# Altium PCB BloopPadMaxx_00.PcbDoc (part 1 of 3)
Units mm, origin at the board's own origin, x right, y up, seen from the top; angles counter-clockwise.
Board outline 209 x 212 mm, 2 copper layers (Top Layer, Bottom Layer), stack 1.571 mm thick; 206 components, 154 nets, 793 pads, 455 vias.
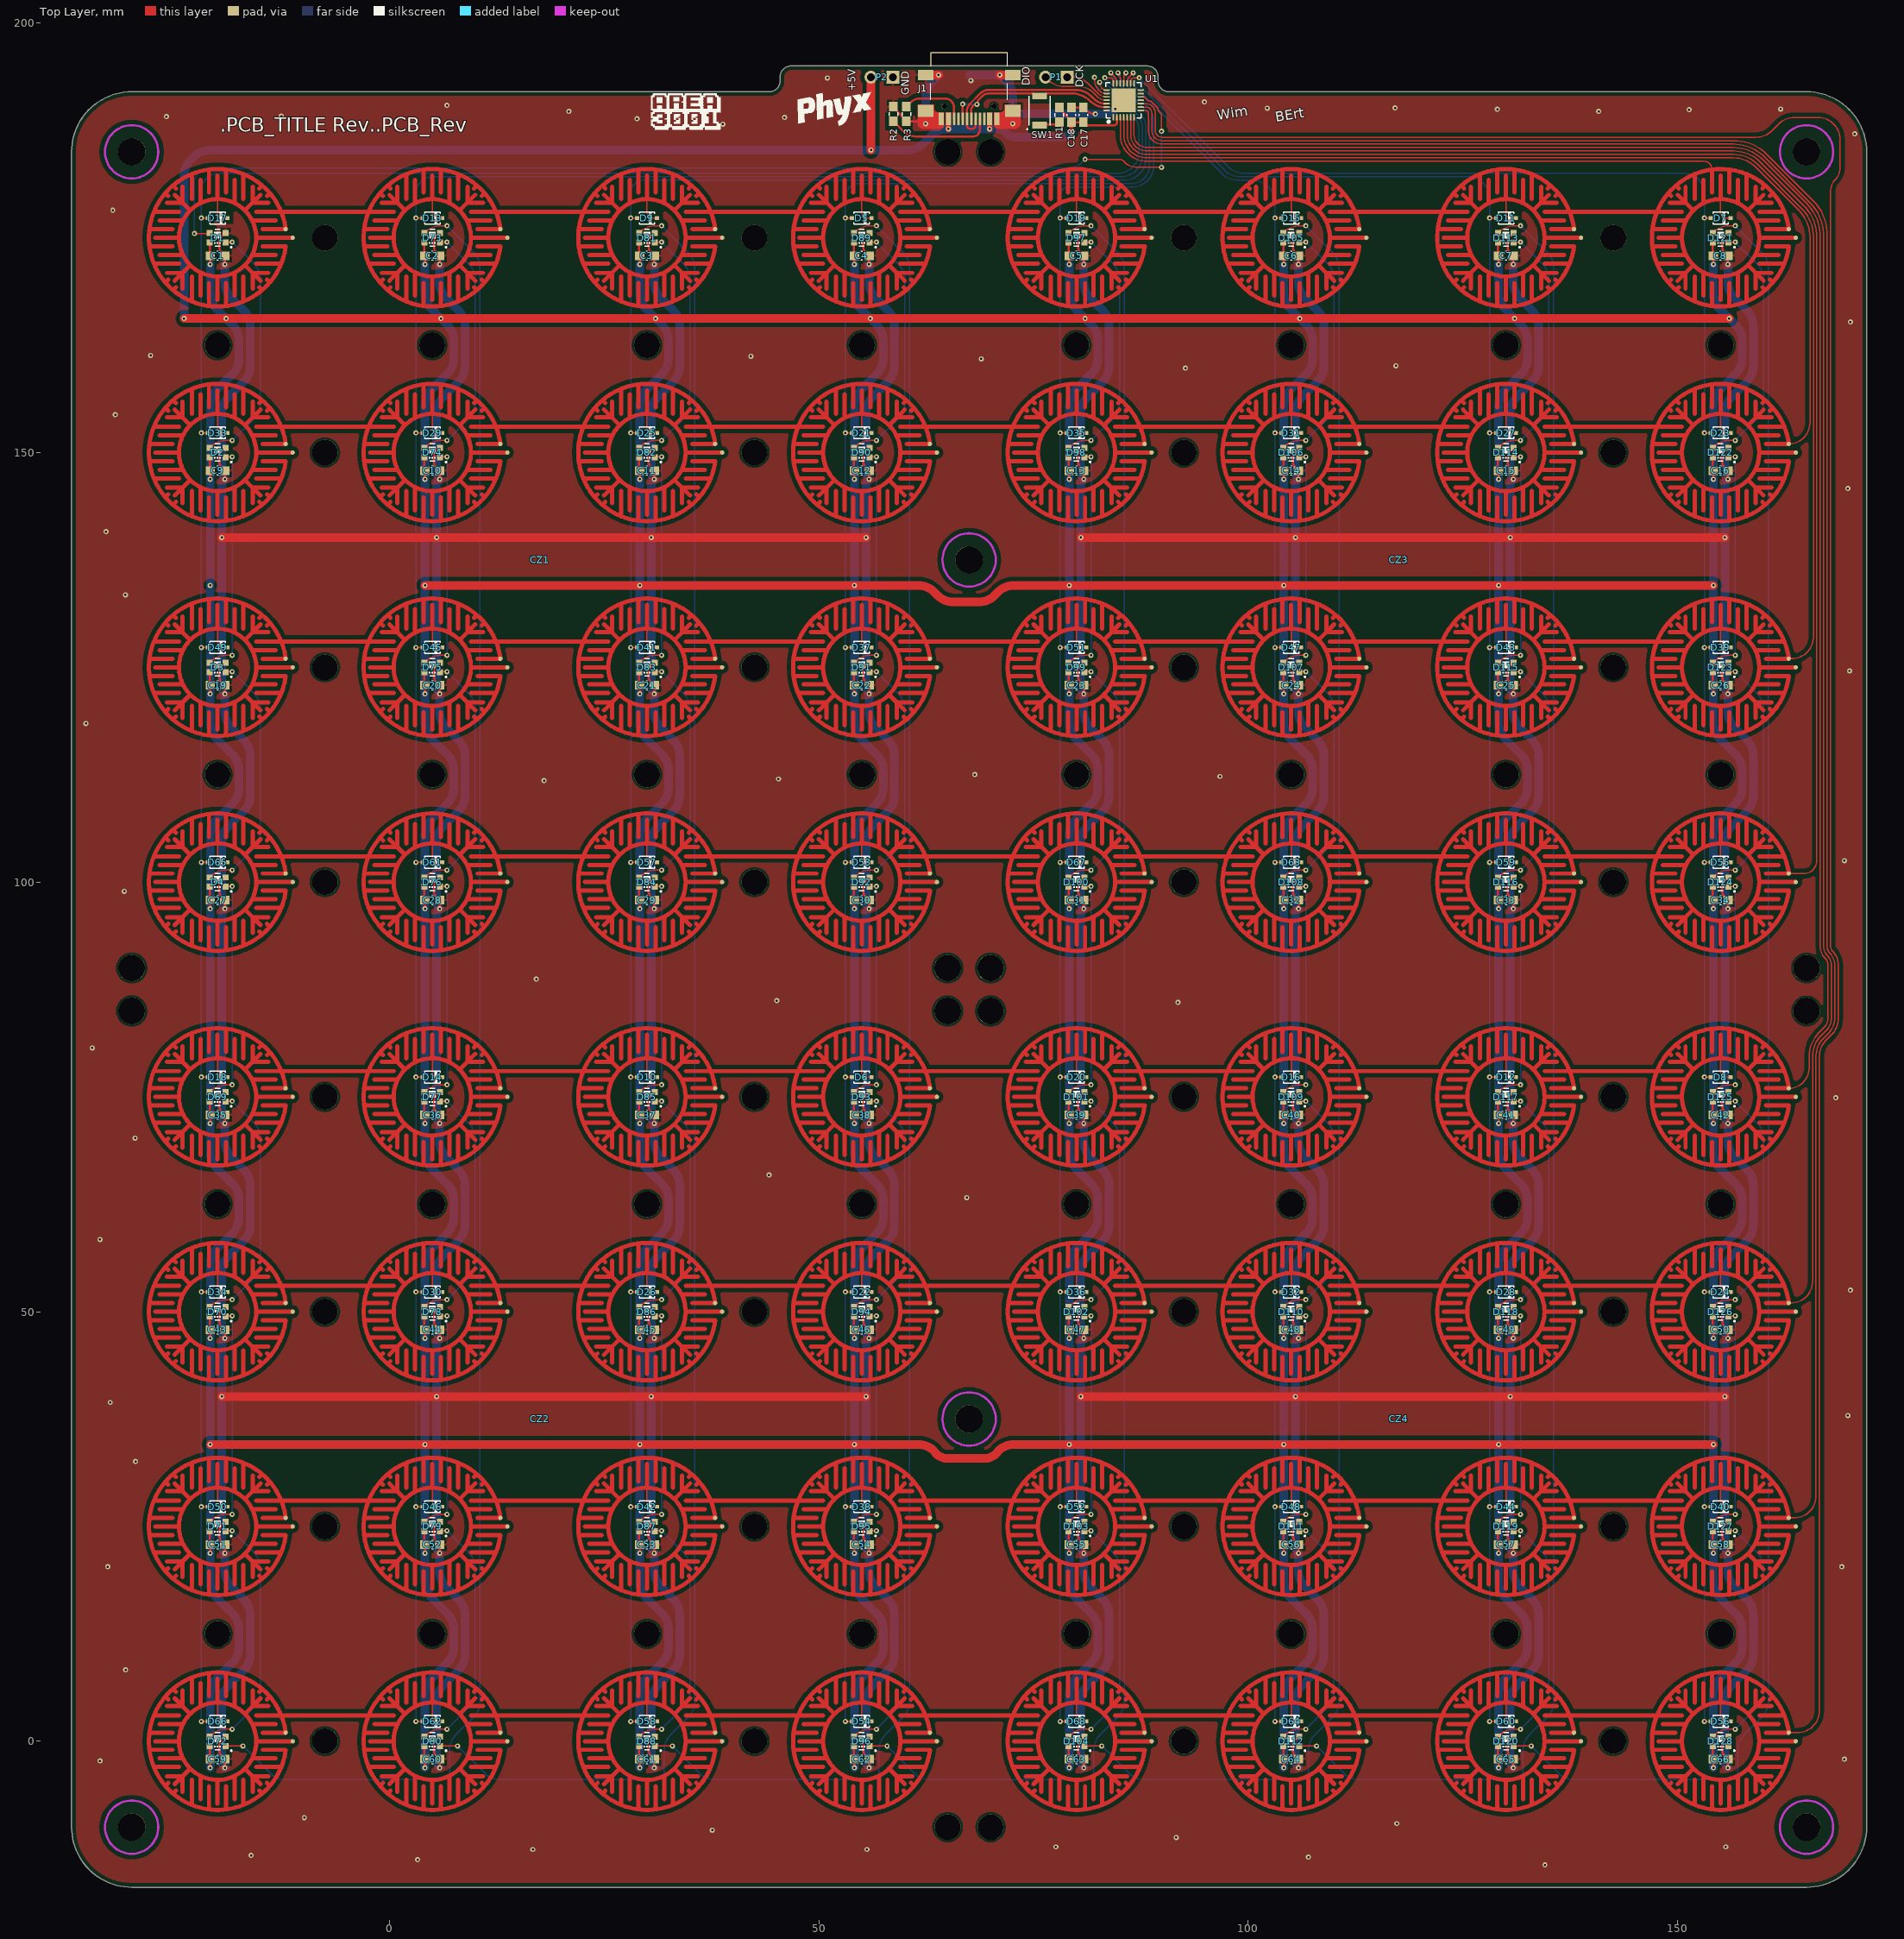
[diagram p0: Top Layer view]
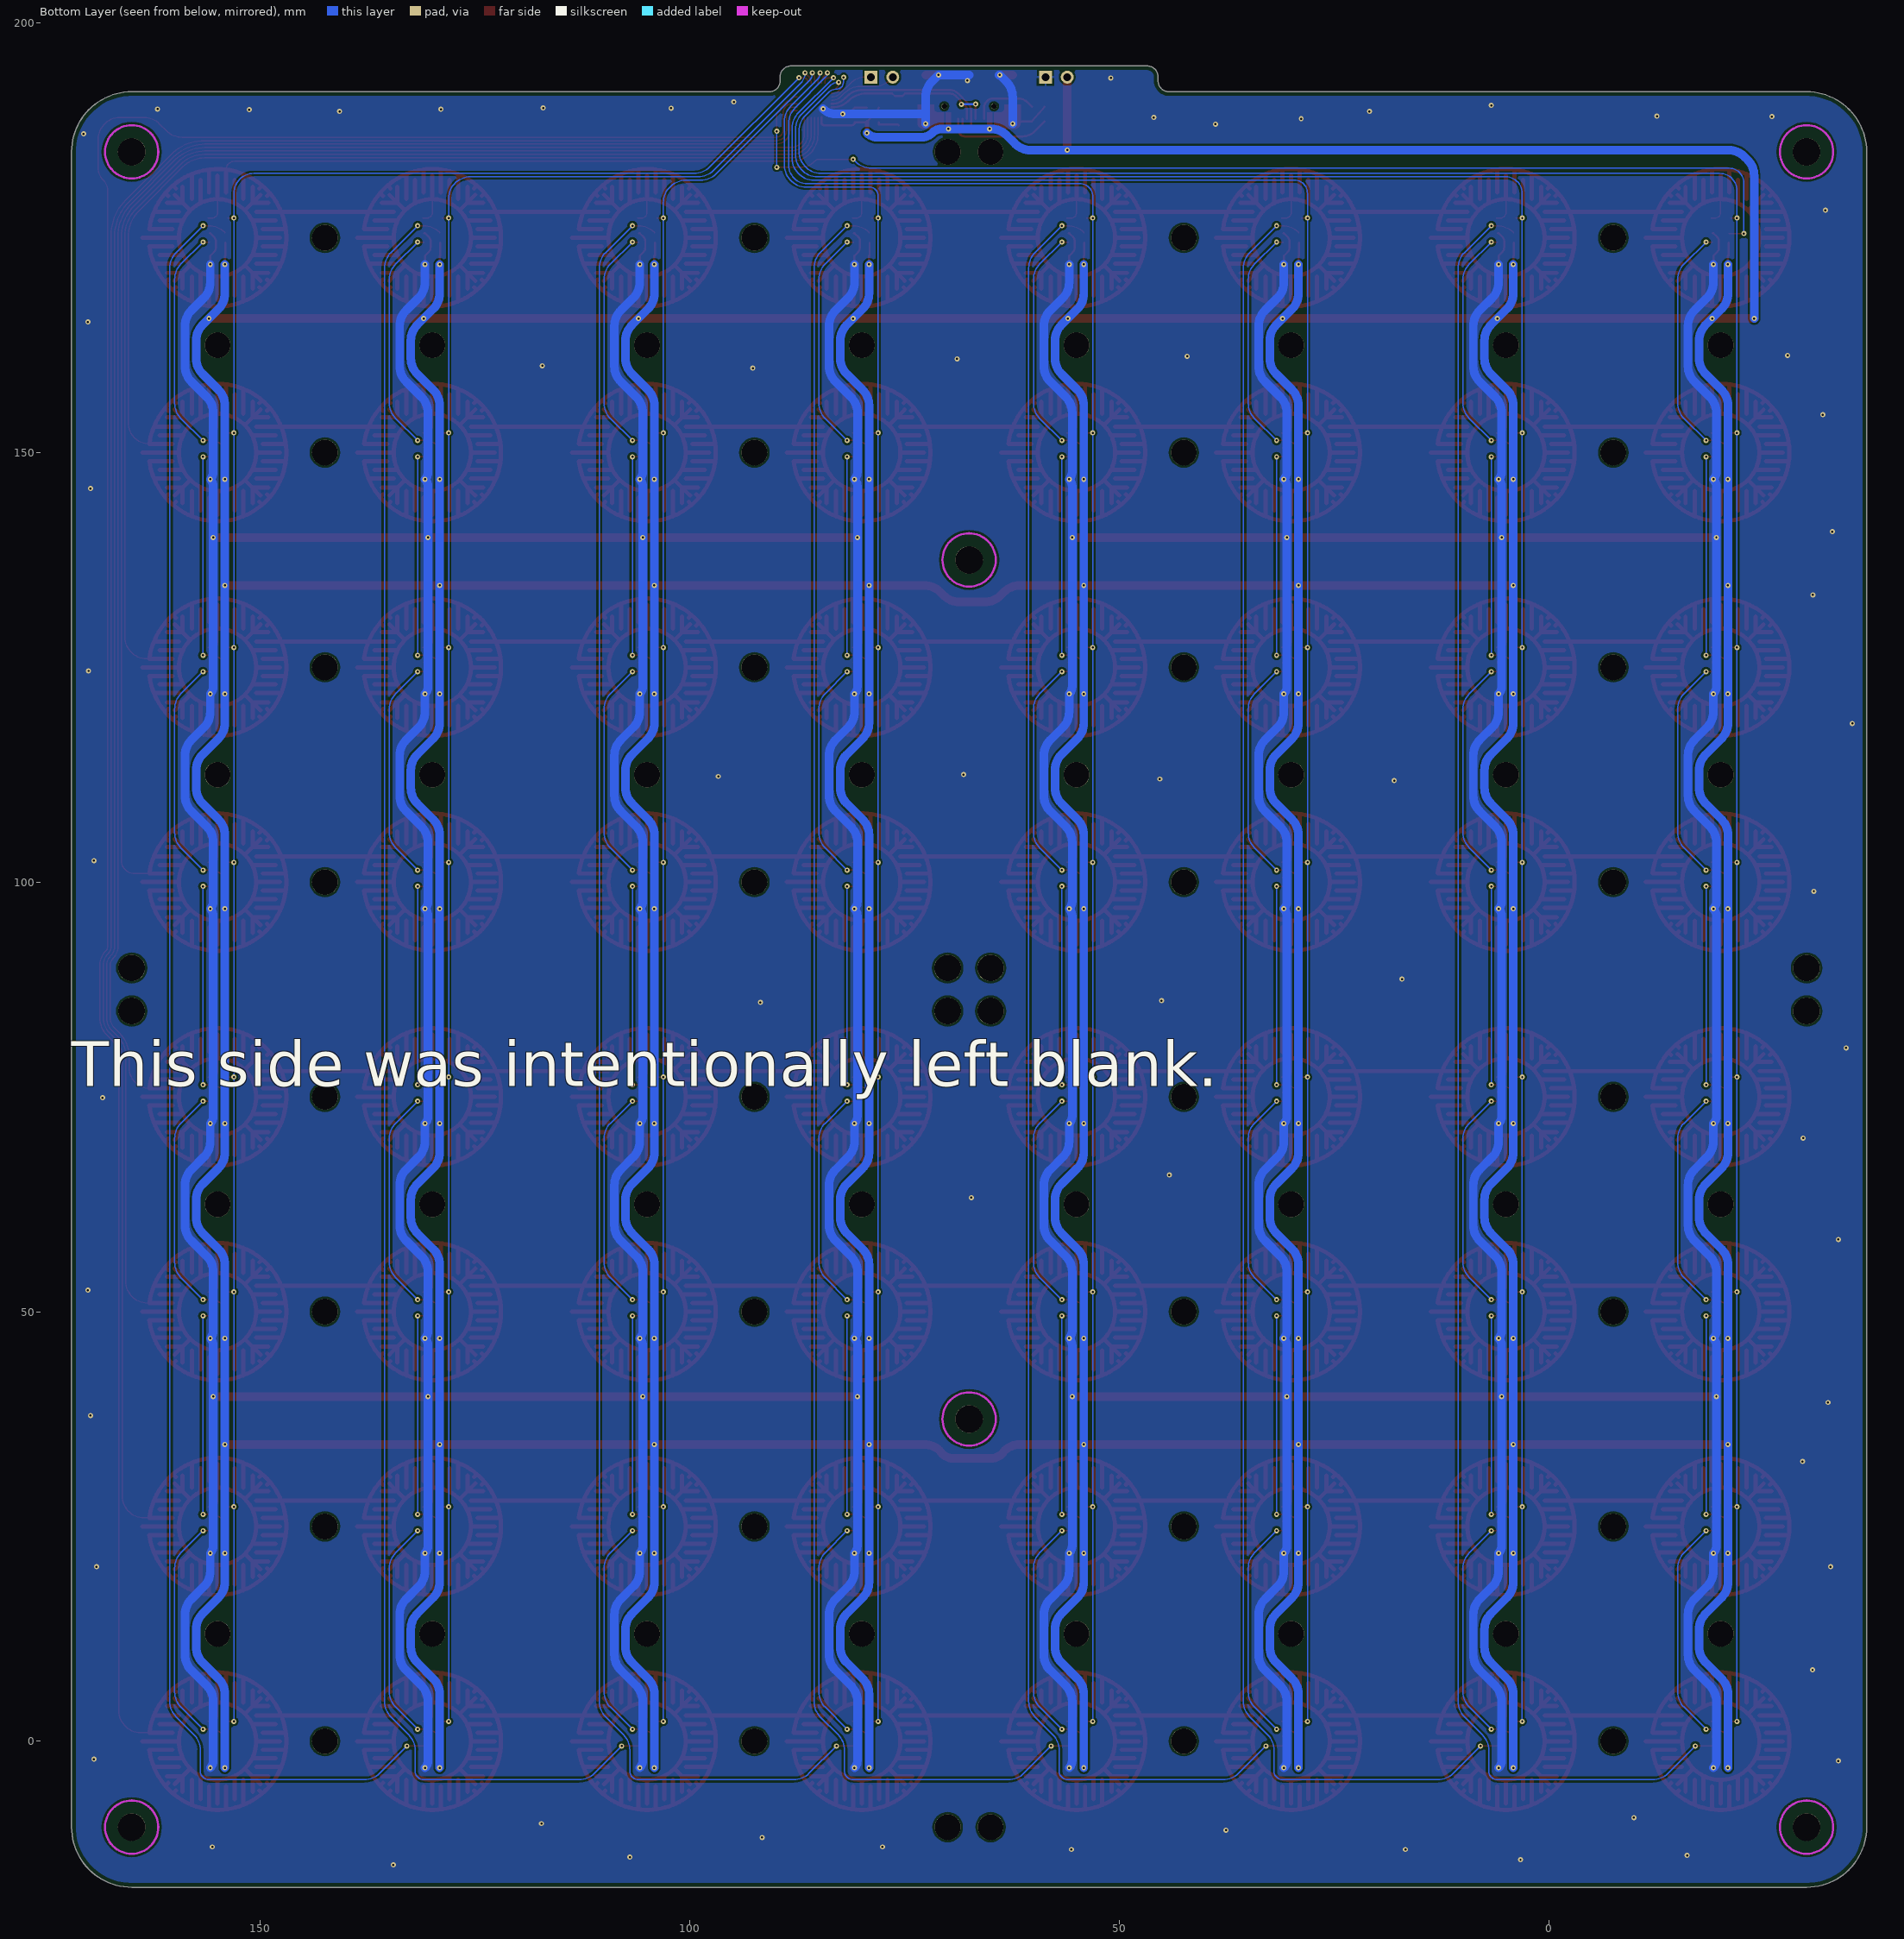
[diagram p1: Bottom Layer view, seen from below]
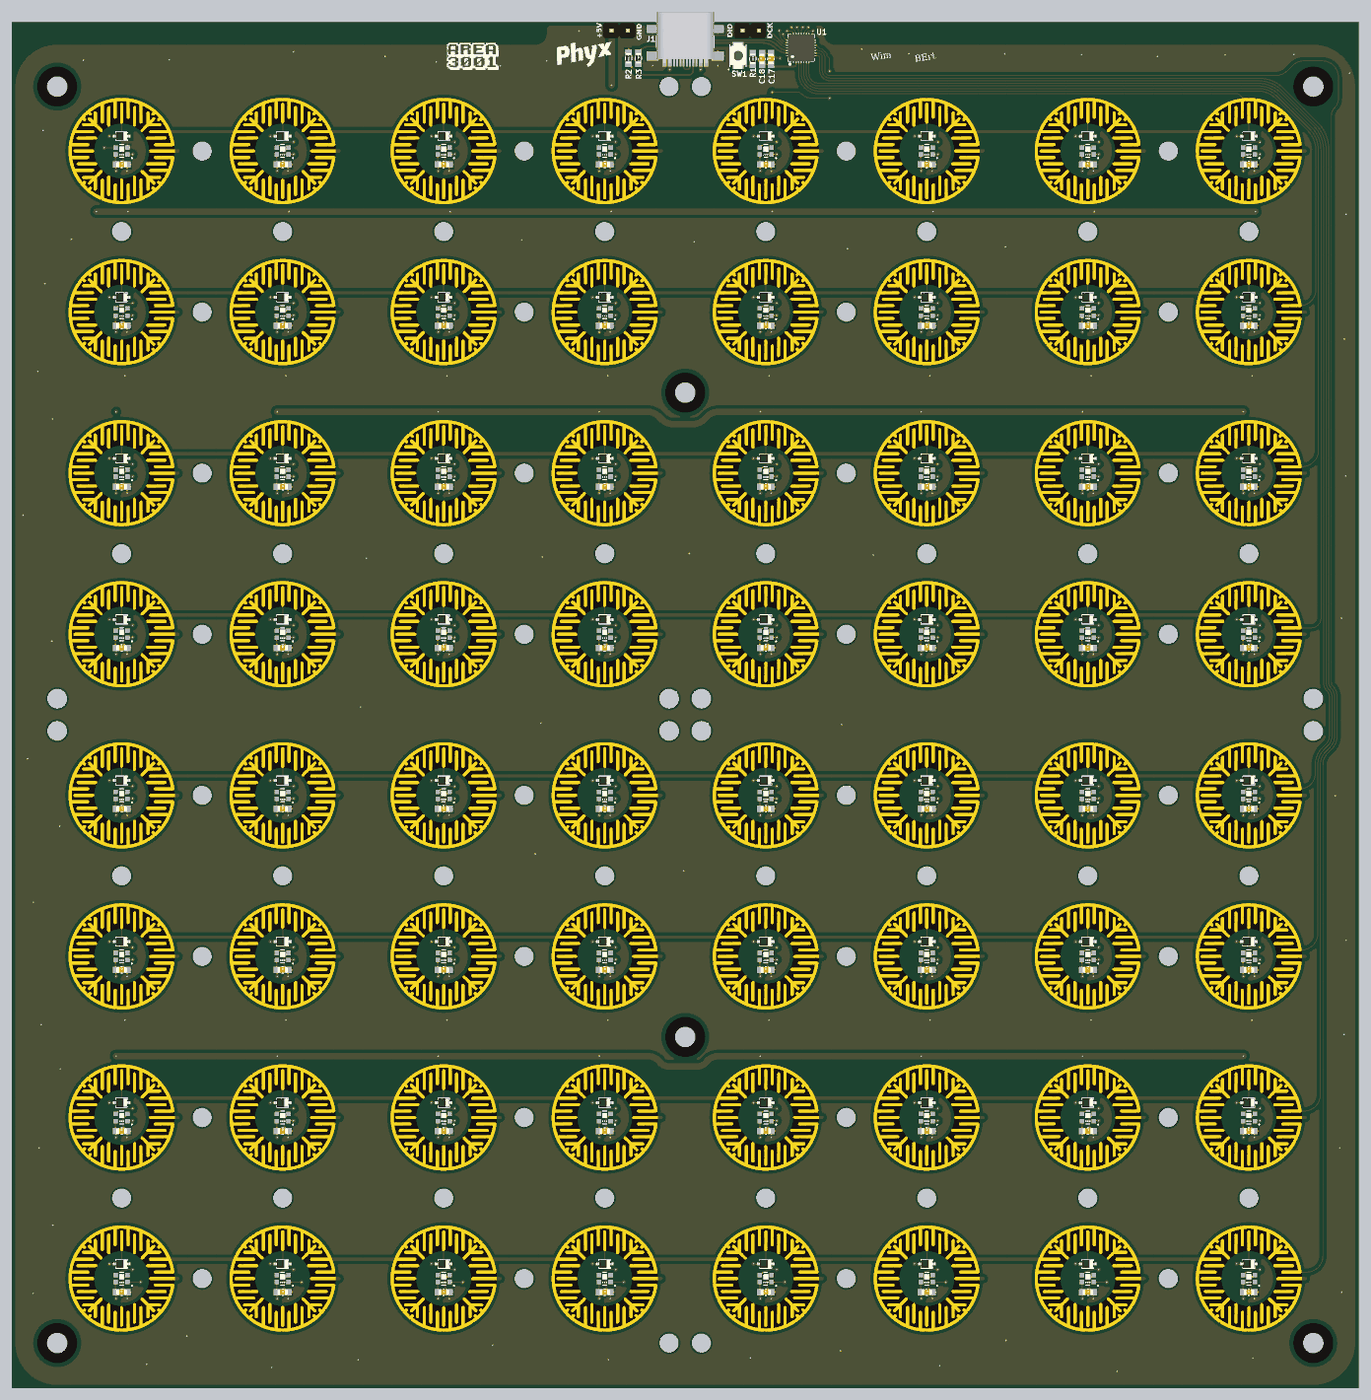
[diagram p4: 3D render of the assembled board from above, using the file's embedded part models]

## Layer stack, top to bottom
Top Solder: solder mask 0.0102, Solder Resist, Dk 3.5
Top Layer: signal copper 0.0356
Dielectric1: core 1.5, FR-4, Dk 4.8
Bottom Layer: signal copper 0.0356
Bottom Solder: solder mask 0.0102, Solder Resist, Dk 3.5

## Board outline
-37,-10 ccw(c-30,-10) -30,-17 -30.01,-17 165,-17 ccw(c165,-10) 172,-10 172,185 ccw(c165,185) 165,192 92.5,192 90.77,192 cw(c90.77,193.27) 89.5,193.27 89.5,193.73 ccw(c88.23,193.73) 88.23,195 46.77,195 ccw(c46.77,193.73) 45.5,193.73 45.5,193.27 cw(c44.23,193.27) 44.23,192 42.5,192 -30,192 ccw(c-30,185) -37,185

## Design rules (kind name [scope] priority, off if disabled: settings)
BoardOutlineClearance [NOT OnLayer('Top Overlay') AND NOT OnLayer('Bottom Overlay') AND NOT IsText AND NOT WithinRoom('Fri3d_2020_Time_Blaster_00')] p1: gap=0.5 ignorepadtopadclearanceinfootprint=FALSE except(0: Arc-SplitContinuation Track-SplitContinuation SMDPad-SplitContinuation THPad-SplitContinuation Via-SplitContinuation Fill-SplitContinuation Poly-SplitContinuation Region-SplitContinuation Text-SplitContinuation; 0.3: SMDPad-OutlineEdge; 0.4: THPad-OutlineEdge)
Clearance Clearance_POLY_TOP [OnLayer('Top Layer')] p1: gap=0.15 ignorepadtopadclearanceinfootprint=FALSE except(0: Arc-Hole Track-Hole SMDPad-Hole THPad-Hole Via-Hole Fill-Hole Region-Hole Text-Hole; 0.25: Poly-Hole; 0.5: Arc-Poly Track-Poly SMDPad-Poly THPad-Poly Via-Poly Fill-Poly; 1.1: Poly-Poly)
Clearance [All] p2: gap=0.15 ignorepadtopadclearanceinfootprint=FALSE except(0: Arc-Hole Track-Hole SMDPad-Hole THPad-Hole Via-Hole Fill-Hole Region-Hole Text-Hole; 0.25: Arc-Poly Track-Poly SMDPad-Poly THPad-Poly Via-Poly Fill-Poly Poly-Hole; 1.1: Poly-Poly)
ComponentClearance ComponentClearance_ZS [InComponent('CZ1') OR  InComponent('CZ2') OR InComponent('CZ3') OR InComponent('Cz4')] p1: gap=-1 collisioncheckmode=3 verticalgap=-1 showdistances=FALSE
ComponentClearance ComponentClearance_SW [InComponentClass('SWITCH') vs InComponentClass('SWITCH')] p2: gap=0 collisioncheckmode=3 verticalgap=0 showdistances=FALSE
ComponentClearance ComponentClearance_RES [InComponentClass('Resistors') vs InComponentClass('Resistors')] p3: gap=0 collisioncheckmode=3 verticalgap=0 showdistances=FALSE
ComponentClearance [All] p4: gap=0.25 collisioncheckmode=3 verticalgap=0.25 showdistances=FALSE
DiffPairsRouting [All] p1: maxlimit=0.254 minlimit=0.15 mostfreqgap=0.15 toplayer_minwidth=0.25 toplayer_maxwidth=0.381 toplayer_prefwidth=0.25 bottomlayer_minwidth=0.25 bottomlayer_maxwidth=0.381 bottomlayer_prefwidth=0.25 maxuncoupledlength=12.7
HoleSize [All] p1: absolutevalues=TRUE maxlimit=10 minlimit=0.025 maxpercent=80.000 minpercent=20.000
HoleToHoleClearance [All] p1: gap=0 allowstackedmicrovias=TRUE
NetAntennae [NOT ( InComponent('CZ1') OR  InComponent('CZ2') OR InComponent('CZ3') OR InComponent('Cz4'))] p1: netantennaetolerance=0
PolygonConnect PolygonConnect_VIA [IsVia] p1: connectstyle=Direct reliefconductorwidth=0.254 reliefentries=4 polygonreliefangle="90 Angle" airgapwidth=0.254
PolygonConnect [All] p2: connectstyle=Relief reliefconductorwidth=0.254 reliefentries=4 polygonreliefangle="90 Angle" airgapwidth=0.254
RoutingVias [All] p1: holewidth=0.3 width=0.7 viastyle="Through Hole" minholewidth=0.3 minwidth=0.2 maxholewidth=0.6 maxwidth=1.2
SilkToSolderMaskClearance SilkscreenOverComponentPads [IsPad] p1: minsilkscreentomaskgap=0.254 clearancetoexposedcopper=TRUE
SolderMaskExpansion SolderMaskExpansion_track [IsTrack or IsArc] p1: expansion=0 istentingtop=FALSE
SolderMaskExpansion [All] p2: expansion=0.05 istentingtop=FALSE
SupplyNets "Schematic Supply Nets_2" [InNet('VUSB')] p1: voltage=0.000
SupplyNets "Schematic Supply Nets_1" [InNet('GND')] p2: voltage=0.000
Width [All] p1: maxlimit=5 minlimit=0.15 preferedwidth=0.25
24 further rules are at their usual default settings.

## Classes and differential pairs
net class POWER: GND VUSB
net class 90r: USB.D_n USB.D_p
differential pair USB.D: +USB.D_p -USB.D_n

## Components (designator, comment, footprint, x,y, rotation, side; value= is the part's Value field where it differs from the comment)
C1 "CAP_CERAMIC" C0603_N -20,172.9 r0 top value="100nF 16V"
C2 "CAP_CERAMIC" C0603_N 5,172.9 r0 top value="100nF 16V"
C3 "CAP_CERAMIC" C0603_N 30,172.9 r0 top value="100nF 16V"
C4 "CAP_CERAMIC" C0603_N 55,172.9 r0 top value="100nF 16V"
C5 "CAP_CERAMIC" C0603_N 80,172.9 r0 top value="100nF 16V"
C6 "CAP_CERAMIC" C0603_N 105,172.9 r0 top value="100nF 16V"
C7 "CAP_CERAMIC" C0603_N 130,172.9 r0 top value="100nF 16V"
C8 "CAP_CERAMIC" C0603_N 155,172.9 r0 top value="100nF 16V"
C9 "CAP_CERAMIC" C0603_N -20,147.9 r0 top value="100nF 16V"
C10 "CAP_CERAMIC" C0603_N 5,147.9 r0 top value="100nF 16V"
C11 "CAP_CERAMIC" C0603_N 30,147.9 r0 top value="100nF 16V"
C12 "CAP_CERAMIC" C0603_N 55,147.9 r0 top value="100nF 16V"
C13 "CAP_CERAMIC" C0603_N 80,147.9 r0 top value="100nF 16V"
C14 "CAP_CERAMIC" C0603_N 105,147.9 r0 top value="100nF 16V"
C15 "CAP_CERAMIC" C0603_N 130,147.9 r0 top value="100nF 16V"
C16 "CAP_CERAMIC" C0603_N 155,147.9 r0 top value="100nF 16V"
C17 "" C0603_N 80.8,189.3 r90 top value="100nF 16V"
C18 "" C0603_N 79.4,189.3 r90 top value="1uF 16V"
C19 "CAP_CERAMIC" C0603_N -20,122.9 r0 top value="100nF 16V"
C20 "CAP_CERAMIC" C0603_N 5,122.9 r0 top value="100nF 16V"
C21 "CAP_CERAMIC" C0603_N 30,122.9 r0 top value="100nF 16V"
C22 "CAP_CERAMIC" C0603_N 55,122.9 r0 top value="100nF 16V"
C23 "CAP_CERAMIC" C0603_N 80,122.9 r0 top value="100nF 16V"
C24 "CAP_CERAMIC" C0603_N 105,122.9 r0 top value="100nF 16V"
C25 "CAP_CERAMIC" C0603_N 130,122.9 r0 top value="100nF 16V"
C26 "CAP_CERAMIC" C0603_N 155,122.9 r0 top value="100nF 16V"
C27 "CAP_CERAMIC" C0603_N -20,97.9 r0 top value="100nF 16V"
C28 "CAP_CERAMIC" C0603_N 5,97.9 r0 top value="100nF 16V"
C29 "CAP_CERAMIC" C0603_N 30,97.9 r0 top value="100nF 16V"
C30 "CAP_CERAMIC" C0603_N 55,97.9 r0 top value="100nF 16V"
C31 "CAP_CERAMIC" C0603_N 80,97.9 r0 top value="100nF 16V"
C32 "CAP_CERAMIC" C0603_N 105,97.9 r0 top value="100nF 16V"
C33 "CAP_CERAMIC" C0603_N 130,97.9 r0 top value="100nF 16V"
C34 "CAP_CERAMIC" C0603_N 155,97.9 r0 top value="100nF 16V"
C35 "CAP_CERAMIC" C0603_N -20,72.9 r0 top value="100nF 16V"
C36 "CAP_CERAMIC" C0603_N 5,72.9 r0 top value="100nF 16V"
C37 "CAP_CERAMIC" C0603_N 30,72.9 r0 top value="100nF 16V"
C38 "CAP_CERAMIC" C0603_N 55,72.9 r0 top value="100nF 16V"
C39 "CAP_CERAMIC" C0603_N 80,72.9 r0 top value="100nF 16V"
C40 "CAP_CERAMIC" C0603_N 105,72.9 r0 top value="100nF 16V"
C41 "CAP_CERAMIC" C0603_N 130,72.9 r0 top value="100nF 16V"
C42 "CAP_CERAMIC" C0603_N 155,72.9 r0 top value="100nF 16V"
C43 "CAP_CERAMIC" C0603_N -20,47.9 r0 top value="100nF 16V"
C44 "CAP_CERAMIC" C0603_N 5,47.9 r0 top value="100nF 16V"
C45 "CAP_CERAMIC" C0603_N 30,47.9 r0 top value="100nF 16V"
C46 "CAP_CERAMIC" C0603_N 55,47.9 r0 top value="100nF 16V"
C47 "CAP_CERAMIC" C0603_N 80,47.9 r0 top value="100nF 16V"